# KiCad board tokeyo_plus.kicad_pcb
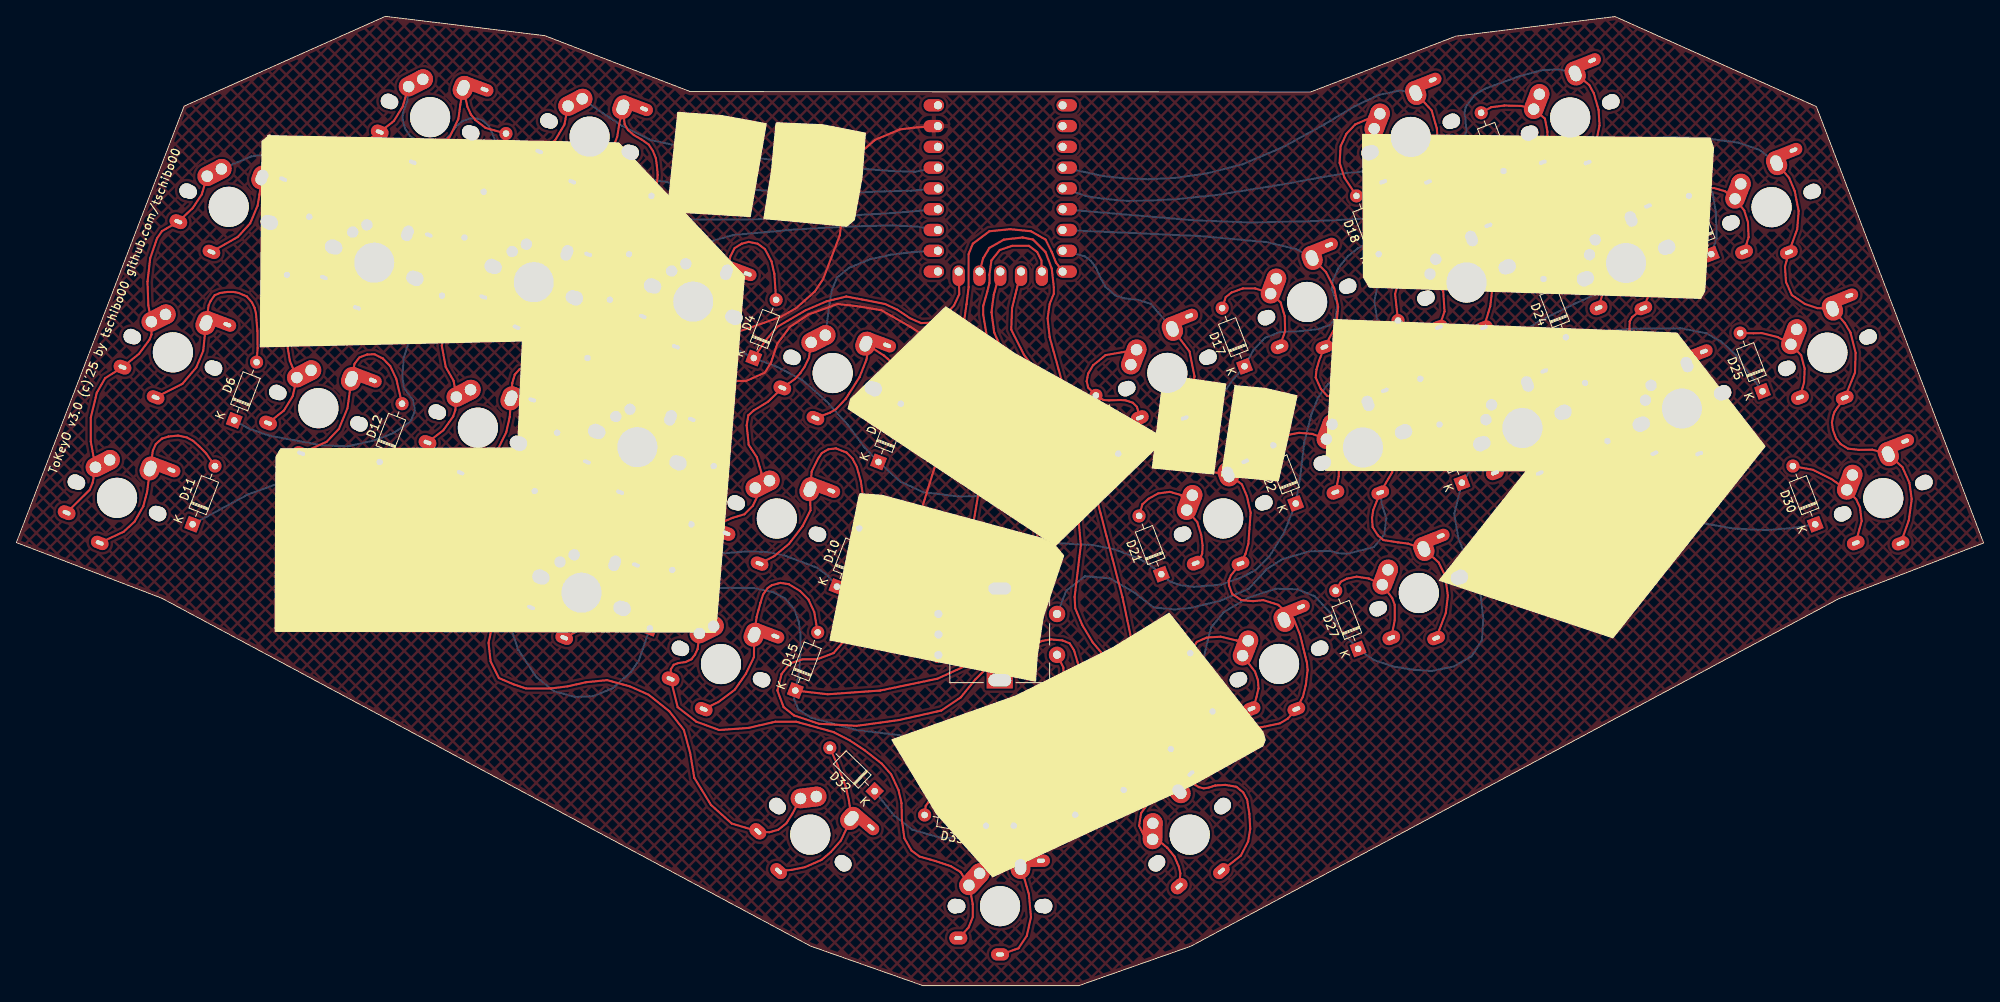
[diagram p0: board, top side]
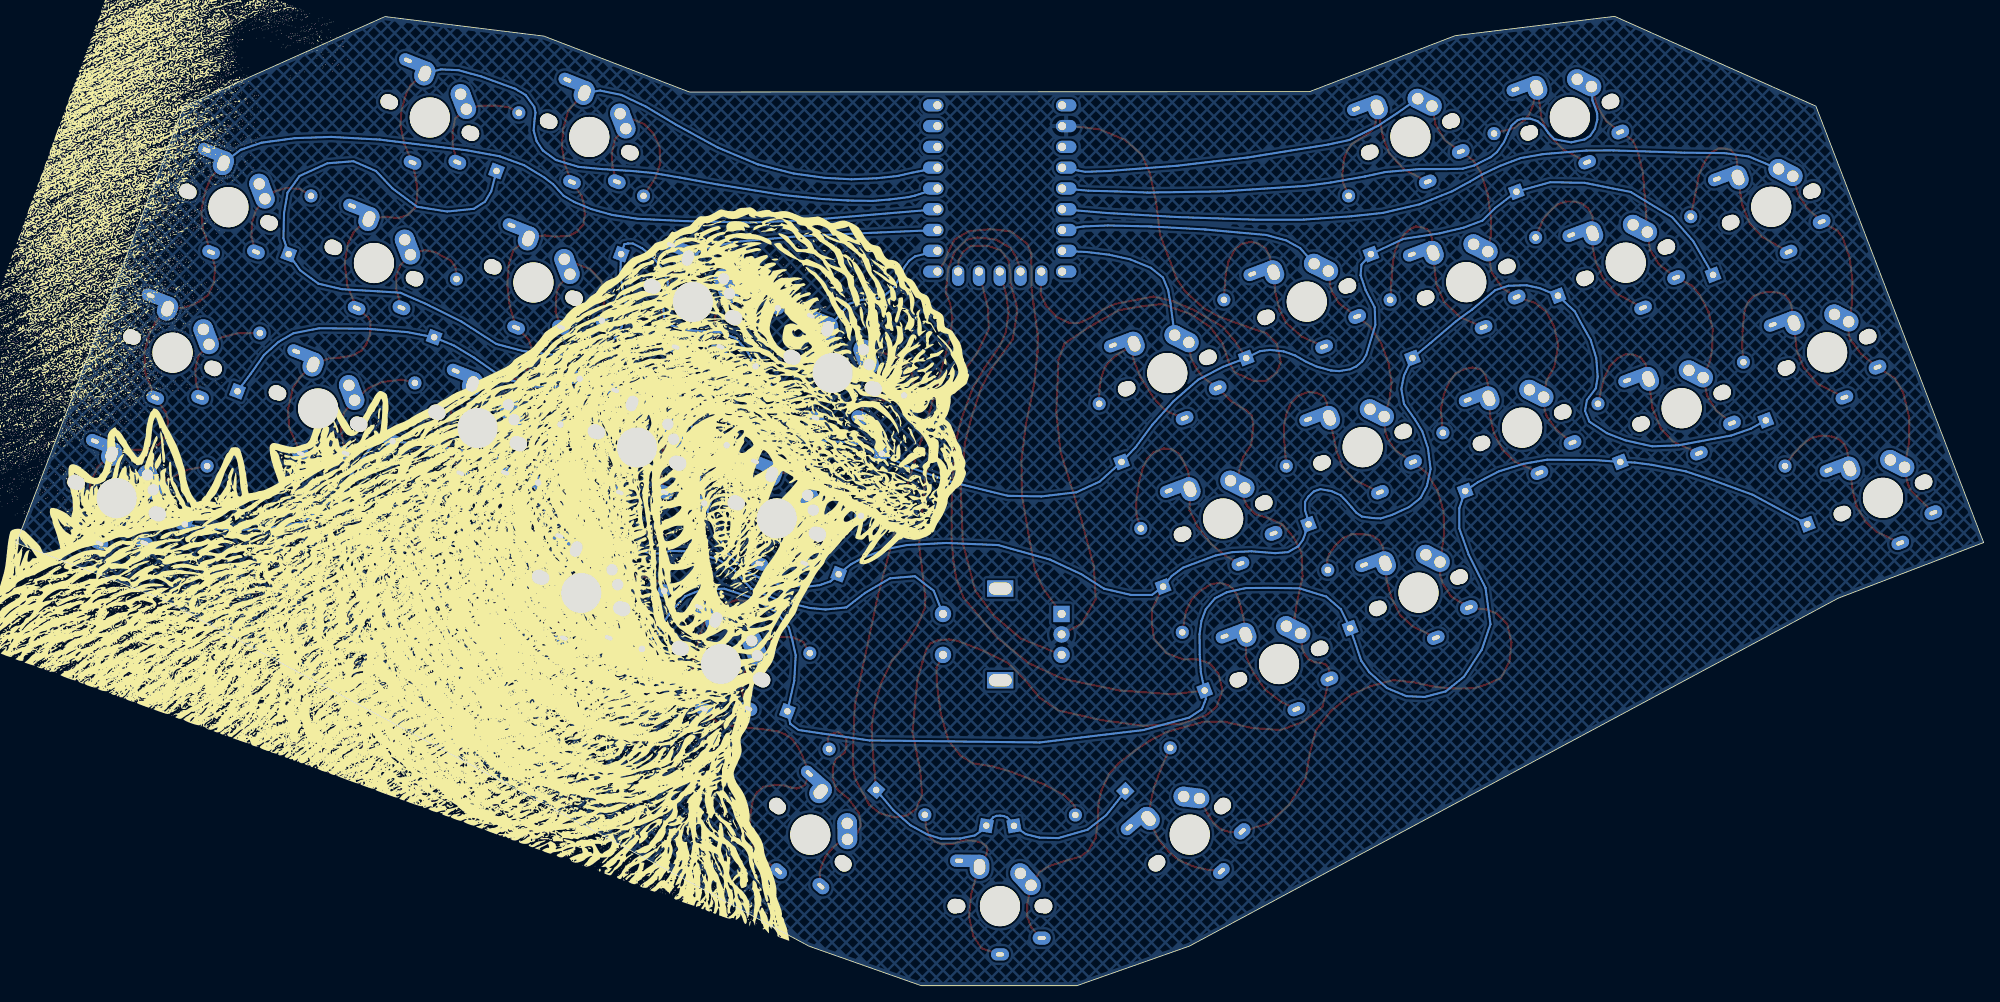
[diagram p1: board, bottom side, seen from below]

Outline 240.44 x 118.47 mm; copper layers: Top, Bottom. Coordinates in mm from the lower left corner of the outline.
Outline path: 0,54.15 20.5,107.49 45.09,118.47 64.59,116.1 82.35,109.27 158.17,109.22 175.95,116.05 195.38,118.44 219.99,107.44 240.44,54.1 222.73,47.29 143.56,4.83 129.84,0 110.79,0 97.08,4.83 17.78,47.35 closed

## Placement (name value [footprint] x y rotation side)
D1  Diode  [Diode_DO-35]  33.07 86.87 69 top
D2  Diode  [Diode_DO-35]  57.11 97.03 69 top
D3  Diode  [Diode_DO-35]  74.89 89.41 69 top
D4  Diode  [Diode_DO-35]  90.13 76.71 69 top
D5  Diode  [Diode_DO-35]  105.37 64.01 69 top
D6  Diode  [Diode_DO-35]  26.63 69.09 69 top
D7  Diode  [Diode_DO-35]  52.03 84.33 69 top
D8  Diode  [Diode_DO-35]  69.81 76.71 69 top
D9  Diode  [Diode_DO-35]  82.51 56.39 69 top
D10  Diode  [Diode_DO-35]  100.29 48.77 69 top
D11  Diode  [Diode_DO-35]  21.55 56.39 69 top
D12  Diode  [Diode_DO-35]  44.41 64.01 69 top
D13  Diode  [Diode_DO-35]  63.36 60.45 69 top
D14  Diode  [Diode_DO-35]  77.43 43.69 69 top
D15  Diode  [Diode_DO-35]  95.21 36.07 69 top
D16  Diode  [Diode_DO-35]  134.67 65.02 111 top
D17  Diode  [Diode_DO-35]  150.1 75.69 111 top
D18  Diode  [Diode_DO-35]  166.52 89.41 111 top
D19  Diode  [Diode_DO-35]  181.76 99.57 111 top
D20  Diode  [Diode_DO-35]  207.16 89.41 111 top
D21  Diode  [Diode_DO-35]  139.94 50.29 111 top
D22  Diode  [Diode_DO-35]  156.36 58.93 111 top
D23  Diode  [Diode_DO-35]  171.6 74.17 111 top
D24  Diode  [Diode_DO-35]  189.38 79.25 111 top
D25  Diode  [Diode_DO-35]  213.41 72.64 111 top
D26  Diode  [Diode_DO-35]  146.2 33.53 111 top
D27  Diode  [Diode_DO-35]  163.98 41.15 111 top
D28  Diode  [Diode_DO-35]  176.68 61.47 111 top
D29  Diode  [Diode_DO-35]  194.46 66.55 111 top
D30  Diode  [Diode_DO-35]  219.86 56.39 111 top
D32  Diode  [Diode_DO-35]  104.9 23.77 136 top
D33  Diode  [Diode_DO-35]  121.9 19.56 10 top
D34  Diode  [Diode_DO-35]  135.35 23.92 41 top
D35  Diode  [Diode_DO-35]  118.51 19.53 170 top
G***  LOGO  [godzilla]  180.86 64.3 200 bottom
S1  Keyswitch  [keyswitch_cherrymx_alps_choc12_1u]  25.96 95.19 339 top
S2  Keyswitch  [keyswitch_cherrymx_alps_choc12_1u]  50.57 106.14 339 top
S3  Keyswitch  [keyswitch_cherrymx_alps_choc12_1u]  70.06 103.76 339 top
S4  Keyswitch  [keyswitch_cherrymx_alps_choc12_1u]  82.72 83.6 339 top
S5  Keyswitch  [keyswitch_cherrymx_alps_choc12_1u]  99.77 74.87 339 top
S6  Keyswitch  [keyswitch_cherrymx_alps_choc12_1u]  19.13 77.4 339 top
S7  Keyswitch  [keyswitch_cherrymx_alps_choc12_1u]  43.74 88.36 339 top
S8  Keyswitch  [keyswitch_cherrymx_alps_choc12_1u]  63.23 85.98 339 top
S9  Keyswitch  [keyswitch_cherrymx_alps_choc12_1u]  75.9 65.81 339 top
S10  Keyswitch  [keyswitch_cherrymx_alps_choc12_1u]  92.94 57.09 339 top
S11  Keyswitch  [keyswitch_cherrymx_alps_choc12_1u]  12.3 59.62 339 top
S12  Keyswitch  [keyswitch_cherrymx_alps_choc12_1u]  36.91 70.58 339 top
S13  Keyswitch  [keyswitch_cherrymx_alps_choc12_1u]  56.41 68.19 339 top
S14  Keyswitch  [keyswitch_cherrymx_alps_choc12_1u]  69.07 48.03 339 top
S15  Keyswitch  [keyswitch_cherrymx_alps_choc12_1u]  86.12 39.3 339 top
S16  Keyswitch  [keyswitch_cherrymx_alps_choc12_1u]  140.67 74.88 21 top
S17  Keyswitch  [keyswitch_cherrymx_alps_choc12_1u]  157.75 83.56 21 top
S18  Keyswitch  [keyswitch_cherrymx_alps_choc12_1u]  170.41 103.72 21 top
S19  Keyswitch  [keyswitch_cherrymx_alps_choc12_1u]  189.91 106.1 21 top
S20  Keyswitch  [keyswitch_cherrymx_alps_choc12_1u]  214.52 95.15 21 top
S21  Keyswitch  [keyswitch_cherrymx_alps_choc12_1u]  147.5 57.1 21 top
S22  Keyswitch  [keyswitch_cherrymx_alps_choc12_1u]  164.58 65.77 21 top
S23  Keyswitch  [keyswitch_cherrymx_alps_choc12_1u]  177.24 85.94 21 top
S24  Keyswitch  [keyswitch_cherrymx_alps_choc12_1u]  196.73 88.32 21 top
S25  Keyswitch  [keyswitch_cherrymx_alps_choc12_1u]  221.34 77.36 21 top
S26  Keyswitch  [keyswitch_cherrymx_alps_choc12_1u]  154.32 39.32 21 top
S27  Keyswitch  [keyswitch_cherrymx_alps_choc12_1u]  171.4 47.99 21 top
S28  Keyswitch  [keyswitch_cherrymx_alps_choc12_1u]  184.07 68.15 21 top
S29  Keyswitch  [keyswitch_cherrymx_alps_choc12_1u]  203.56 70.53 21 top
S30  Keyswitch  [keyswitch_cherrymx_alps_choc12_1u]  228.17 59.58 21 top
S32  Keyswitch  [keyswitch_cherrymx_alps_choc12_1u]  97.03 18.46 319 top
S33  Keyswitch  [keyswitch_cherrymx_alps_choc12_1u]  120.22 9.72 0 top
S34  Keyswitch  [keyswitch_cherrymx_alps_choc12_1u]  143.4 18.45 41 top
SW1  RotaryEncoder_Switch  [RotaryEncoder_Alps_EC11E-Switch_Vertical_H20mm]  112.69 45.43 0 top
U1  -  [RP2040_Zero]  120.25 97.43 0 top

## Library data of the parts
D1-D30 D32-D35 = -: Description: 1N4148 (DO-35) or 1N4148W (SOD-123); Sim.Device: D; Sim.Pins: 1=K 2=A
S1-S30 S32-S34 = -: Description: Push button switch, normally open, two pins, 45° tilted
SW1 = -: Description: Rotary encoder, dual channel, incremental quadrate outputs, with switch

## Footprints (pads in the part's own frame, mm; a bottom-side part is the same pattern mirrored in y, then rotated)
Diode_DO-35
  rect 1.6x1.6 hole 0.8: 1(0,0)
  oval 1.6x1.6 hole 0.8: 2(7.62,0)
keyswitch_cherrymx_alps_choc12_1u
  round 1.8 hole 1.8 unplated: (-5.5,0) (5.5,0)
  round 1.7 hole 1.7 unplated: (-5.08,0) (5.08,0)
  round 4.9 hole 4.9 unplated: (0,0)
  oval 2.2x1.6 hole 1x0.5: 1(-5.1,-3.9)
  oval 2.4x4.4 hole 1.4 rot 138: 1(-3.8,2.55)
  round 2.4 hole 1.4: 1(-2.5,4)
  oval 2.2x1.5 hole 1x0.5: 2(0,-5.9)
  oval 2.4x2.95 hole 1.4x1.95: 2(2.5,4.8)
  oval 4.4x1.5 hole 1x0.5 rot 0.5: 2(5,5.55)
RotaryEncoder_Alps_EC11E-Switch_Vertical_H20mm
  rect 2x2 hole 1: A(0,0)
  round 2 hole 1: B(0,-5) C(0,-2.5) S1(14.5,-5) S2(14.5,0)
  rect 3.2x2 hole 2.8x1.5: MP(7.5,3.1) MP(7.5,-8.1)
RP2040_Zero
  oval 2.5x1.5 hole 1: 1(7.62,10.16) 2(7.62,7.62) 3(7.62,5.08) 4(7.62,2.54) 5(7.62,0) 6(7.62,-2.54) 7(7.62,-5.08) 8(7.62,-7.62) 9(7.62,-10.16) 15(-7.62,-10.16) 16(-7.62,-7.62) 17(-7.62,-5.08) 18(-7.62,-2.54) 19(-7.62,0) 20(-7.62,2.54) 21(-7.62,5.08) 22(-7.62,7.62) 23(-7.62,10.16)
  oval 1.5x2.5 hole 1: 10(5.08,-10.16) 11(2.54,-10.16) 12(0,-10.16) 13(-2.54,-10.16) 14(-5.08,-10.16)

## Nets
gnd: SW1.C U1.22
c1: S1.1 S6.1 S11.1 U1.18
c2: S2.1 S7.1 S12.1 U1.19
c3: S3.1 S8.1 S13.1 U1.20
c4: S4.1 S9.1 S14.1 S32.1 U1.17
c5: S5.1 S10.1 S15.1 S33.1 U1.16
c6: S16.2 S21.2 S26.2 S34.2 U1.8
c7: S17.2 S22.2 S27.2 SW1.S2 U1.7
c8: S18.2 S23.2 S28.2 U1.4
c9: S19.2 S24.2 S29.2 U1.5
c10: S20.2 S25.2 S30.2 U1.6
r1: D1.1 D2.1 D3.1 D4.1 D5.1 D16.1 D17.1 D18.1 D19.1 D20.1 U1.14
r2: D6.1 D7.1 D8.1 D9.1 D10.1 D21.1 D22.1 D23.1 D24.1 D25.1 U1.13
r3: D11.1 D12.1 D13.1 D14.1 D15.1 D26.1 D27.1 D28.1 D29.1 D30.1 U1.12
r4: D32.1 D33.1 D34.1 D35.1 U1.11
Net-(D1-A): D1.2 S1.2
Net-(D2-A): D2.2 S2.2
Net-(D3-A): D3.2 S3.2
Net-(D4-A): D4.2 S4.2
Net-(D5-A): D5.2 S5.2
Net-(D6-A): D6.2 S6.2
Net-(D7-A): D7.2 S7.2
Net-(D8-A): D8.2 S8.2
Net-(D9-A): D9.2 S9.2
Net-(D10-A): D10.2 S10.2
Net-(D11-A): D11.2 S11.2
Net-(D12-A): D12.2 S12.2
Net-(D13-A): D13.2 S13.2
Net-(D14-A): D14.2 S14.2
Net-(D15-A): D15.2 S15.2
Net-(D16-A): D16.2 S16.1
Net-(D17-A): D17.2 S17.1
Net-(D18-A): D18.2 S18.1
Net-(D19-A): D19.2 S19.1
Net-(D20-A): D20.2 S20.1
Net-(D21-A): D21.2 S21.1
Net-(D22-A): D22.2 S22.1
Net-(D23-A): D23.2 S23.1
Net-(D24-A): D24.2 S24.1
Net-(D25-A): D25.2 S25.1
Net-(D26-A): D26.2 S26.1
Net-(D27-A): D27.2 S27.1
Net-(D28-A): D28.2 S28.1
Net-(D29-A): D29.2 S29.1
Net-(D30-A): D30.2 S30.1
Net-(D32-A): D32.2 S32.2
Net-(D33-A): D33.2 S33.2
Net-(D34-A): D34.2 S34.1
Net-(D35-A): D35.2 SW1.S1
Net-(U1-8): SW1.A U1.9
Net-(U1-9): SW1.B U1.10

Pads without a net: SW1 MP; U1 1 2 3 15 21 23

## Routing (per net, layer and track width the routed paths; a pad name or vN(x,y) marks a point on that pad's centre or on a via; arc(x,y) is an arc through that point)
gnd: length 115.2
  Top w0.25: SW1.C 110.29,44.2 108.51,47.24 108.76,51.31 110.54,57.91 112.83,65.28 113.33,70.1 113.08,76.45 112.32,78.49 109.27,80.52 105.71,82.55 102.67,83.06 100.38,83.31 96.82,82.04 94.54,80.52 93.01,78.49 92.25,76.2 91.49,74.93 89.2,73.91 87.68,73.91 86.41,74.93 85.9,76.2 86.41,78.49 87.68,79.76 89.97,80.52 93.52,81.79 95.3,82.8 97.59,84.84 98.6,86.36 100.63,91.69 101.14,95.76 101.9,99.31 102.92,101.6 104.95,103.38 108,104.65 110.03,104.9 U1.22
c1: length 137.6
  Top w0.25: S11.1 8.97,60.6 9.32,61.47 S11.1 9.09,66.5 9.09,69.42 9.83,72.47 10.85,74.24 S6.1 14.99,77.22 16.28,78.97 16.51,79.55 S6.1 16.13,83.16 16.03,86.03 16.36,88.9 17.2,91.34 17.81,92.23 S1.1 21.56,95.05 22.66,96.7 S1.1
  Bottom w0.25: S1.1 28.73,101.35 31.67,101.75 36.58,101.8 45.23,102.08 48.58,102.06 53.85,101.63 56.59,101.14 59.08,100.2 61.26,99.16 62.79,98.27 64.97,97.08 68.91,95.5 73.46,94.44 77.29,94.03 83.11,93.62 89.18,93.62 98.32,93.93 107.21,94.44 U1.18
c2: length 123.2
  Top w0.25: S2.1 47.22,107.44 46.13,105.66 S2.1 42.88,103.3 42.27,101.93 41.66,99.39 41.38,96.11 S7.1 40.77,89.94 39.73,88.19 S7.1 35.61,85.55 34.65,84.33 33.63,82.35 33.12,80.26 33.17,77.9 33.43,76.35 S12.1 33.78,72.06 32.69,70.28 S12.1
  Bottom w0.25: U1.19 109.4,97.16 106.15,97.08 102.16,96.93 92.89,97.08 82.96,97.74 79.83,98.15 75.56,98.91 73.1,99.44 68.99,99.8 65.68,99.8 63.68,99.85 62.28,100.23 60.25,101.25 59.49,101.88 58.62,103.1 58.19,104.09 57.71,105.11 56.97,105.77 56.34,105.97 55.42,105.97 54.53,105.66 53.82,105.08 53.21,104.24 52.48,103.45 50.41,103.06 48.75,103.43 48.09,103.86 47.5,104.75 47.21,105.85 47.23,106.58 47.39,107.09 47.8,108.18 S2.1
c3: length 94.7
  Top w0.25: S3.1 66.98,105.23 65.84,103.3 S3.1 62.43,100.91 61.49,99.49 60.63,96.77 60.2,93.73 60.25,91.59 S8.1 60.12,87.17 58.83,85.27 S8.1 54.84,83.46 53.47,82.4 52.48,80.52 51.99,78.21 52.48,75.62 53.44,73.91 S13.1 53.64,70.33 53.39,69.57 52.17,67.87 S13.1
  Bottom w0.25: U1.20 110.62,99.62 109.8,99.47 106.91,99.57 98.6,100.2 89.94,101.22 80.11,102.79 77.52,103.35 73.99,105.11 71.68,106.63 S3.1
c4: length 142.4
  Top w0.25: S32.1 92.02,18.75 93.12,19.05 94.11,19.84 94.87,21.06 S32.1 ; S32.1 87.43,19.81 84.89,22.1 82.85,25.4 82.35,28.45 81.58,31.24 79.81,33.53 77.27,35.56 74.98,36.58 72.19,37.34 69.65,37.08 67.36,36.58 65.33,36.32 62.28,36.32 60.76,36.83 58.98,37.59 57.96,39.62 57.71,41.91 58.22,44.2 59.49,45.47 60.76,45.97 S14.1 65.1,47.57 66.12,49.15 66.42,50.11 S14.1 65.94,55.19 66.01,58.01 66.78,60.58 68.05,62.66 S9.1 71.86,65.41 72.8,66.78 73.15,67.82 S9.1 72.59,71.68 72.36,73.71 72.72,76.07 73.66,78.56 74.98,80.57 S4.1 78.77,83.36 79.55,84.63 79.88,85.6 S4.1 ; S32.1 91.24,19.05
  Bottom w0.25: S4.1 83.54,90.14 85.24,91.08 87.66,91.74 95.19,92.42 101.75,92.78 107.04,92.91 110.03,92.79 U1.17
c5: length 131.9
  Top w0.25: S10.1 85.72,56.41 ; 85.72,56.41 87.52,57.17 88.98,57.61 90.02,58.65 90.93,60.63 91.05,62.73 90.5,64.59 89.51,66.09 89.26,68.48 89.46,69.7 90.09,70.28 91.87,71.37 S5.1 95.12,74.12 95.81,74.85 96.34,75.64 96.88,76.76 S5.1 ; 85.72,56.41 84.35,54.81 83.39,53.01 83.24,49.99 83.9,46.96 84.22,44.94 83.85,42.77 ; 116.48,12.24 116.89,9.91 116.89,8.38 116.38,7.11 115.18,5.79 ; S33.1 115.39,13.89 114.2,14.61 112.29,15.24 110.39,15.77 109.4,16.51 108.53,18.01 108.23,20.22 108.18,22.33 107.82,23.88 106.91,25.83 105.74,27.15 103.66,28.78 101.85,29.97 99.87,30.99 95.3,32.26 92.76,32.26 89.46,31.5 85.9,31.24 83.11,32.26 80.82,34.04 S15.1 79.98,38.66 80.34,39.22 80.87,39.42 81.79,39.55 82.5,39.88 82.96,40.49 83.26,41.15 S15.1 ; 97.05,77.47 97.49,78.74
  Bottom w0.25: S5.1 99.39,83.44 99.67,85.01 100.3,86.54 101.78,87.73 104.32,88.77 106.86,89.33 109.58,89.66 U1.16
c6: length 112.2
  Top w0.25: S16.2 143.38,77.5 143.99,74.45 143.66,72.72 S16.2 142.27,68.1 142.01,66.75 142.11,65.63 142.72,64.64 143.66,63.73 144.86,63.12 146.1,62.79 S21.2 149.78,61.26 150.39,59.82 150.85,57.81 150.57,54 150.22,52.76 S21.2 148.44,50.14 148.16,49.45 148.21,48.9 148.59,47.88 149.71,47.12 151.16,46.99 152.4,47.12 154.23,46.54 156.13,44.75 156.87,42.93 157.73,39.45 157.81,38.58 157.61,36.83 157.23,35.28 S26.2 155.4,32.64 154.43,32.05 152.25,31.6 149.91,31.42 147.32,31.06 146.53,30.73 145.67,30.18 145.01,29.31 144.53,28.45 S34.2 144.07,24.54 144.53,24.26 145.11,24.1 145.75,24.21 146.51,24.46 147.75,24.54 149.1,24.31 149.94,23.62 150.42,22.73 150.7,20.98 150.8,19.15 150.55,17.63 149.66,15.9 S34.2
  Bottom w0.25: U1.8 130.61,89.13 131.32,88.6 131.93,87.78 132.44,86.64 133.1,85.42 134.32,84.35 135.46,84 137.08,83.82 138.63,83.34 S16.2
c7: length 142.7
  Top w0.25: S27.2 174.7,45.54 174.96,47.68 174.62,50.09 173.84,51.71 S27.2 170.08,54.03 168.86,54.18 167.08,54.46 166.4,55.04 165.76,56.03 165.68,57.15 165.84,58.14 S22.2 168.15,62.74 168.43,64.97 168.07,67.03 167.08,69.44 S22.2 162.97,71.91 161.72,71.76 160.2,72.09 159.44,72.92 158.8,74.32 158.9,75.31 159.21,76.35 S17.2 161.32,80.67 161.54,82.96 161.06,85.24 160.07,87.2 S17.2
  Bottom w0.25: S22.2 166.93,58.67 167.44,57.15 167.18,55.12 165.91,53.59 162.66,52.78 161.54,52.86 160.55,53.14 158.06,53.09 154.71,52.12 152.81,50.9 150.62,48.51 147.07,47.02 143.41,46.15 141.53,45.97 138.99,46.23 136.7,48.01 133.65,49.78 130.61,50.04 128.32,48.26 SW1.S2 ; U1.7 136.14,92 144.53,91.62 152.78,90.88 156.41,90.02 S17.2
c8: length 108
  Top w0.25: S18.2 172.97,106.96 173.61,104.75 173.76,102.54 173.41,100.33 S18.2 171.37,96.55 171.04,95.48 170.97,94.21 171.15,92.99 171.96,92.13 172.92,91.62 174.57,91.54 175.82,91.69 S23.2 179.71,89.89 180.24,88.21 180.44,85.65 180.14,83.03 S23.2 178.18,79.35 177.8,78.89 177.62,78.41 177.39,77.5 177.55,76.5 177.88,75.44 178.26,74.83 179.12,74.14 180.26,74.02 182.32,74.02 S28.2 186.82,71.73 187.48,69.52 187.76,67.46 187.4,65.2 S28.2
  Bottom w0.25: U1.4 131.06,99.34 132.72,98.96 135.31,98.68 138.38,98.55 141.63,98.73 145.47,99.26 149.81,100.38 154.71,102.44 159.77,105.21 163.55,107.47 166.5,108.86 169.09,109.4 S18.2
c9: length 130.3
  Top w0.25: S19.2 192.23,110.08 192.79,109.07 193.37,107.06 193.5,105.16 193.01,102.84 S19.2 191.67,98.88 191.57,98.35 191.41,97.26 191.49,96.04 191.8,94.97 192.63,94.18 193.78,93.8 195.25,93.98 S24.2 199.16,92.18 199.9,90.7 200.3,88.29 200,85.6 S24.2 197.49,81.71 197.18,81.18 197.15,80.14 197.23,79.5 197.69,78.36 198.22,77.65 199.24,77.04 200.84,76.76 202.26,76.66 S29.2 205.82,74.3 206.63,73.08 207.24,70.41 207.11,68.28 S29.2
  Bottom w0.25: U1.5 130.66,96.55 131.45,96.37 133.68,96.09 135.79,95.91 138.81,95.96 141.91,96.14 146.63,96.62 154.99,97.97 159.41,98.78 162.53,99.31 165.2,99.57 168.83,99.8 171.73,100.08 174.5,100.91 176.1,102.08 176.86,103.23 177.22,104.52 177.09,105.99 176.99,106.68 177.14,107.39 178.21,108.86 179.5,109.63 183.62,111.13 186.41,111.89 188.52,111.99 S19.2
c10: length 149.4
  Top w0.25: S20.2 216.66,98.73 217.35,97.1 217.83,94.67 217.65,92.46 S20.2 216.15,87.86 216.28,86 216.99,84.4 218.59,83.31 220.12,82.8 S25.2 223.47,80.98 224.16,79.83 224.79,77.34 224.71,74.93 S25.2 222.55,70.64 222.2,70.1 222.02,69.55 221.89,68.81 222.02,67.89 222.4,66.88 222.96,66.19 223.85,65.63 225.22,65.48 226.82,65.51 S30.2 230.5,63.37 231.37,61.44 231.65,59.44 231.29,56.87 S30.2
  Bottom w0.25: U1.6 143.81,93.55 150.8,93.27 158.83,93.45 164.49,93.73 167.67,94.21 170.18,94.92 172.26,95.78 173.56,96.55 174.85,97.97 175.92,98.78 178.38,100.28 181.38,101.37 185.45,102.11 196.01,103.4 201.96,103.73 206.38,103.58 210.49,103.02 213.03,102.16 S20.2
r1: length 303.9
  Top w0.25: U1.14 115.24,84.51 114.6,83.13 113.28,81.71 111.81,81.03 110.57,80.98 109.19,81.58 107.65,82.63 106.17,83.31 103.33,83.87 101.42,84.23 99.03,83.64 96.47,82.55 92.99,80.52 91.52,78.79 D4.1
  Bottom w0.25: D19.1 182.4,97.08 183.16,95.81 184.53,94.95 187.78,94.62 191.47,95.2 194.46,97.43 196.49,99.57 199.24,100.76 202.41,100.51 205.82,98.96 207.29,96.93 207.72,94.44 207.8,91.36 D20.1 205.74,87.43 203.53,85.8 200.61,85.12 196.24,84.86 193.5,84.68 190.53,83.39 186.06,81.18 181.79,78.44 178.54,77.57 174.52,77.06 170.15,77.5 167.84,78.26 166.47,80.49 165.96,83.67 166.65,86.74 D18.1 166.14,90.6 165.68,90.7 165.07,90.7 163.96,90.12 162.71,89.13 161.59,87.76 160.86,86.13 160.78,85.17 161.01,84.43 161.44,83.36 161.24,81.66 160.6,80.77 159.08,80.24 156.9,79.98 154.43,79.88 152.6,79.17 151.23,77.75 D17.1 148.44,73.74 147.88,72.9 147.37,71.86 146.84,70.49 145.8,68.83 145.03,68.02 143.59,67.16 141.63,66.57 139.85,66.47 138.33,66.37 137.03,66.14 D16.1 131.57,63.47 126.26,61.6 119.25,59.87 115.14,59.79 110.87,60.3 108.05,61.6 D5.1 103.66,65.79 101.6,68.55 99.01,71.42 95.99,74.07 92.94,75.64 D4.1 88.44,77.55 87.2,77.7 85.55,77.52 84.12,77.01 82.85,76.28 81.53,75.67 79.78,75.18 78.77,75.11 77.42,75.34 76.66,75.69 75.95,76.3 75.46,77.06 74.35,80.75 74.42,82.88 75.54,85.01 76.15,86.82 76.05,88.11 D3.1 70.92,91.26 66.47,91.95 63.58,92.63 61.26,93.5 59.72,95.02 D2.1 52.96,98.2 48.77,98.12 43.13,97 38.07,93.93 35.51,91.01 D1.1
r2: length 425.6
  Top w0.25: D10.1 101.65,45.97 101.65,44.2 101.4,42.42 99.87,40.64 97.84,39.88 96.06,39.88 94.54,39.37 93.52,38.1 93.01,36.07 93.78,34.04 95.05,33.02 98.09,32 102.69,31.75 107.87,32.46 113.06,33.63 115.42,35.23 117.2,37.41 119.15,39.37 122.28,40.94 125.4,42.14 126.44,42.32 127.86,42.19 128.73,41.83 129.26,41 129.69,39.55 130.33,37.31 130.91,30.99 129.97,26.29 129.74,23.27 130.51,21.56 131.57,20.8 133.15,20.57 134.92,21.08 136.19,22.1 137.97,25.4 138.23,27.69 137.97,34.29 135.18,47.5 132.13,59.18 128.83,70.1 126.29,79.25 126.03,81.53 126.29,83.31 126.8,84.58 126.8,85.34 126.54,87.63 125.78,89.66 124.26,91.19 122.99,91.44 120.7,91.19 118.92,90.17 118.16,88.9 U1.13
  Bottom w0.25: D25.1 211.81,74.75 210.16,77.09 208.38,78.69 206.58,79.73 203.43,80.34 197.56,80.29 192.71,79.88 D24.1 186.94,78.23 184.51,76.76 181.71,74.8 179.88,73.96 177.24,73.23 175.08,73.15 173.2,73.33 D23.1 169.67,75.21 168.25,75.62 165.51,75.62 162.66,74.8 160.32,73.56 159.11,71.91 158.27,69.8 157.4,66.37 156.9,62.1 D22.1 154.91,55.32 153.14,52.45 151.43,50.77 149.68,49.89 147.27,49.02 143.92,48.74 142.27,48.95 140.94,49.4 D21.1 138.46,51.49 137.01,52.27 134.16,53.34 131.62,53.85 126.8,54.1 120.45,53.85 114.1,52.07 110.29,50.29 107.49,48.51 104.19,47.75 101.65,47.75 D10.1 99.24,50.06 97.87,51.08 93.85,52.58 91.82,52.98 89.48,53.09 86.59,52.86 85.01,52.98 83.77,53.7 83.19,54.51 D9.1 82.65,57.2 82.93,58.06 82.93,59.13 82.52,59.77 81.86,60.4 81.08,60.68 79.73,60.45 78.59,59.94 77.98,59.31 77.24,58.47 76.66,57.79 75.97,57.33 74.65,57.15 73.69,57.1 72.31,57.53 70.21,58.5 68.83,59.59 68.05,61.06 67.59,63.12 67.92,65.68 68.61,67.74 69.52,69.22 70.84,71.09 71.17,72.92 70.84,74.57 D8.1 67.61,78.53 64.48,81.2 62.48,82.66 59.66,85.01 58.06,85.55 55.88,85.6 54.23,85.24 D7.1 49.96,82.4 49.33,81.2 48.03,78.92 47.35,76.71 47.17,74.42 47.4,73 48.49,71.55 48.72,70.26 48.18,68.94 46.02,67.51 43.79,66.65 40.49,65.91 37.29,66.04 30.86,67.23 28.45,68.07 D6.1
r3: length 368
  Top w0.25: D15.1 99.16,35.61 105.56,36.07 112.57,37.52 116.74,39.42 120.55,42.52 124.69,47.42 125.55,49.71 125.91,51.79 126.14,54.61 126.14,58.6 125.96,63.07 125.55,66.78 124.94,69.22 123.57,72.97 122.12,75.49 120.24,78.18 119.51,79.83 119.18,82.32 119.46,84.46 U1.12
  Bottom w0.25: D30.1 216.92,55.91 213.94,55.68 209.91,55.85 205.46,56.64 202.54,58.8 200.61,60.81 198.5,64.01 197.23,65.61 196.32,66.4 D29.1 189.03,65.94 182.6,64.8 179.07,63.75 177.57,62.74 D28.1 175.74,57.66 176.25,54.64 177.62,51.28 178.99,47.52 179.27,44.88 179.12,42.21 177.85,40.26 175.69,39.01 172.95,38.46 170.66,38.61 168.22,39.01 165.89,39.8 D27.1 162,43.28 160.58,45.57 158.67,47.6 156.57,48.44 153.92,48.51 150.65,47.45 147.57,45.67 146.02,43.76 145.62,42.29 145.19,40.36 145.36,37.26 D26.1 145.85,32 144.83,31.24 136.19,29.97 115.37,29.72 102.67,31.24 97.08,32.77 95.55,33.78 95.05,35.05 D15.1 95.68,38.35 95.81,40.49 95.83,42.93 95.61,44.55 95.07,46 93.95,47.32 92.51,48.08 90.17,48.59 87.45,48.62 83.64,48.56 80.34,47.55 78.56,46 D14.1 76.07,39.73 75.08,38.3 72.92,36.37 70.54,35.38 68.3,35.28 65.74,35.97 63.53,37.74 61.34,41.05 60.27,44.17 60.88,48.62 62.94,52.68 64.08,55.88 64.08,58.37 D13.1 61.8,61.54 59.23,62.87 56.21,63.78 53.34,64.28 47.5,64.24 D12.1 42.65,63.93 40.54,63.65 36.42,62.87 32.94,61.72 28.22,59.99 D11.1
r4: length 103.8
  Top w0.25: U1.11 121.69,82.83 121.59,80.19 123.14,77.11 125.45,74.02 127.56,69.6 129.34,62.23 130.1,53.85 129.34,47.5 129.41,46.13 130.28,44.07 131.55,41.96 133.38,39.78 134.67,37.16 135.46,34.54 135.92,31.62 135.76,28.8 135.56,26.29 D34.1
  Bottom w0.25: D32.1 107.24,20.83 109.52,19.05 113.08,18.03 115.37,18.08 117.07,18.52 D35.1 118.85,20.04 119.33,20.55 119.74,20.73 120.19,20.78 120.65,20.75 121.06,20.57 D33.1 122.38,19 123.29,18.36 125.09,17.98 127.43,17.96 129.13,18.49 131.17,19.61 133.25,21.44 D34.1
Net-(D1-A): length 26.3
  Top w0.25: D1.2 35.05,97.71 34.82,98.98 34.34,100.2 33.81,101.19 33.15,101.9 32.36,102.34 31.57,102.31 30.94,102.16 30.3,101.47 30.15,100.71 S1.2 29.72,96.7 29.49,95.35 28.58,93.17 27.08,91.52 S1.2
Net-(D2-A): length 20.2
  Top w0.25: S2.2 51.36,102.18 52.98,103.78 54.03,105.94 54.25,107.65 S2.2 55.12,107.44 55.55,106.48 56.11,105.79 57.35,104.83 D2.2
Net-(D3-A): length 24.4
  Top w0.25: D3.2 78.31,98.2 78.38,99.11 78.28,100.18 78.16,101.12 77.8,102.01 77.29,102.79 76.43,103.4 75.46,103.96 74.75,104.57 74.35,105.28 S3.2 73.69,105.31 73.43,103.73 72.62,101.7 70.84,99.77 S3.2
Net-(D4-A): length 25.7
  Top w0.25: D4.2 92.63,87.02 92.28,88.54 91.49,90.02 90.6,90.68 89.51,90.91 88.65,90.68 87.78,90.14 87.27,89.15 S4.2 86.59,84.81 86.06,82.63 85.24,81 83.36,79.35 S4.2
Net-(D5-A): length 20.7
  Top w0.25: S5.2 105.51,77.34 105.99,77.04 106.5,76.61 107.06,76.05 107.47,75.41 107.9,74.09 108.08,72.8 D5.2 ; 104.19,78.11 103.89,76.48 103.05,74.37 101.37,71.73 100.18,70.46 99.44,70.03 S5.2
Net-(D6-A): length 28
  Top w0.25: D6.2 29.49,77.95 29.46,79.98 29.29,82.12 29.11,82.85 28.8,83.49 28.17,84.23 27.18,84.66 26.52,84.79 25.83,84.79 24.89,84.66 24.23,84.38 23.75,83.69 23.5,83.13 S6.2 22.83,77.57 22,75.57 20.29,73.56 S6.2
Net-(D7-A): length 24.1
  Top w0.25: S7.2 44.93,84.61 46.51,86.46 47.42,88.49 47.78,90.17 S7.2 47.8,94.03 48.34,95 49.12,95.61 50.04,95.83 51.08,95.83 52.07,95.48 52.71,94.95 53.39,94.23 53.9,93.52 D7.2
Net-(D8-A): length 26.6
  Top w0.25: D8.2 72.24,88.11 71.98,89.64 71.45,90.96 70.71,91.95 69.98,92.53 69.39,92.79 68.68,92.68 68.02,92.46 67.64,92.02 67.41,91.34 S8.2 66.9,85.8 65.96,83.59 63.96,81.69 S8.2
Net-(D9-A): length 27
  Top w0.25: S9.2 76.84,61.77 78.36,63.37 79.1,65.35 79.43,67.01 S9.2 80.29,71.27 80.7,72.06 81.61,72.47 82.58,72.57 83.82,72.06 84.66,71.2 85.17,70.03 85.5,68.5 85.5,66.9 D9.2
Net-(D10-A): length 29.7
  Top w0.25: S10.2 92.63,52.5 94.44,54 96.09,56.16 97.05,58.09 S10.2 97.21,62.84 97.99,64.44 98.45,65.1 99.24,65.56 100.18,65.66 101.47,65.15 102.18,64.41 102.72,63.4 103.2,61.67 103.58,59.08 103.53,57.48 D10.2
Net-(D11-A): length 24.1
  Top w0.25: D11.2 23.22,65.02 22.38,65.89 21.62,66.57 20.83,67.01 19.76,67.23 18.57,67.11 17.78,66.85 17.04,66.19 16.69,65.41 S11.2 15.98,60.35 15.52,58.6 14.45,56.72 13.11,55.47 S11.2
Net-(D12-A): length 24
  Top w0.25: D12.2 46.43,74.17 45.69,75.72 44.78,76.66 43.76,77.17 42.88,77.14 41.94,76.78 41.33,76 S12.2 40.46,70.56 39.42,68.05 37.92,66.47 S12.2
Net-(D13-A): length 26.7
  Top w0.25: D13.2 66.34,70.38 65.96,72.26 65.33,73.76 64.52,74.83 63.58,75.31 62.48,75.54 61.49,75.34 60.91,74.68 60.6,73.61 S13.2 60.3,69.52 59.87,67.61 58.85,65.56 57.28,64.03 S13.2
Net-(D14-A): length 24.1
  Top w0.25: D14.2 80.24,52.07 79.93,52.81 79.2,53.85 78.33,54.66 77.27,55.17 75.79,55.17 74.7,54.99 73.89,54.43 73.41,53.59 S14.2 72.95,49.45 72.34,47.32 71.32,45.31 69.85,43.97 S14.2
Net-(D15-A): length 27.9
  Top w0.25: S15.2 85.78,34.65 87.81,36.17 89.18,38.15 90.14,40.16 S15.2 90.47,45.06 90.93,46.76 91.26,47.8 91.82,48.59 92.33,48.95 93.37,49.23 94.39,49.07 95.78,48.23 96.8,47.19 97.51,45.67 D15.2
Net-(D16-A): length 18.3
  Top w0.25: S16.1 136.96,70.74 136.45,71.25 135.59,71.53 134.95,71.58 133.58,71.53 132.87,71.58 D16.2 130.99,73.1 130.81,73.86 130.99,74.8 131.6,75.82 133.12,77.06 S16.1 136.93,76.35
Net-(D17-A): length 14.5
  Top w0.25: D17.2 147.8,84.15 148.51,84.71 149.89,85.22 151.41,85.22 S17.1 154.51,83.52 155.02,81.81 155.07,79.98 S17.1
Net-(D18-A): length 20.3
  Top w0.25: D18.2 162.33,98.73 161.72,100.56 161.85,102.59 162.56,104.11 163.63,105.26 S18.1 ; S18.1 167.28,103.48 167.67,101.7 167.56,100 S18.1
Net-(D19-A): length 13.9
  Top w0.25: D19.2 180.26,107.37 181.86,107.57 183.9,107.52 S19.1 186.82,105.97 187.12,104.39 187.1,102.62 S19.1
Net-(D20-A): length 13.3
  Top w0.25: D20.2 205.82,97.38 207.49,97.49 208.79,97.1 S20.1 211.18,94.74 211.63,93.29 211.71,91.47 S20.1
Net-(D21-A): length 16
  Top w0.25: S21.1 144.6,51.99 144.93,52.81 144.98,53.8 144.81,55.09 144.32,56.67 S21.1 142.33,59.97 140.97,60.35 139.52,60.15 138.38,59.51 137.62,58.83 D21.2
Net-(D22-A): length 14.2
  Top w0.25: D22.2 154.48,67.01 155.24,67.28 156.77,67.56 158.37,67.44 S22.1 161.42,65.51 161.62,64.52 161.62,62.23 S22.1
Net-(D23-A): length 17.5
  Top w0.25: S23.1 170.33,87.58 168.96,86.16 168.5,84.53 D23.2 ; S23.1 174.55,82.4 174.39,84.81 174.06,85.61 S23.1
Net-(D24-A): length 14.9
  Top w0.25: D24.2 186.77,87.83 187.35,88.62 189.28,89.66 190.58,89.89 S24.1 193.5,88.06 194.01,86.77 194.01,85.09 S24.1
Net-(D25-A): length 13.6
  Top w0.25: D25.2 212.29,79.73 213.31,79.76 215.24,79.27 S25.1 218.14,77.04 218.57,75.39 218.49,73.76 S25.1
Net-(D26-A): length 16.9
  Top w0.25: S26.1 151.38,38.38 151.74,37.34 151.82,36.32 151.56,35.26 151.36,34.54 S26.1 ; D26.2 144.27,42.01 145.49,42.55 147.19,42.65 149.16,42.18 S26.1 150.7,40.59
Net-(D27-A): length 13.6
  Top w0.25: D27.2 161.87,49.35 162.59,49.73 163.8,49.99 165.3,49.76 S27.1 168.15,47.37 168.45,46.56 168.45,44.63 S27.1
Net-(D28-A): length 13.1
  Top w0.25: S28.1 181.23,64.49 181.28,66.07 180.85,67.64 S28.1 177.8,69.72 176.5,69.7 175.29,69.39 D28.2
Net-(D29-A): length 15.2
  Top w0.25: D29.2 193.27,74.07 195.68,73.79 197.38,73.05 S29.1 200.38,70.08 200.69,69.04 200.74,67.64 S29.1
Net-(D30-A): length 14.5
  Top w0.25: S30.1 225.53,56.79 225.32,58.45 224.87,59.44 S30.1 221.82,61.93 219.58,63.04 D30.2
Net-(D32-A): length 20.9
  Top w0.25: S32.2 94.74,14.15 96.37,14.48 98.4,15.37 99.54,16.33 100.76,17.73 S32.2 101.75,22.63 101.37,24.31 100.38,26.92 D32.2
Net-(D33-A): length 25.8
  Top w0.25: D33.2 129.26,19.35 128.88,18.29 128.17,17.58 127.33,17.27 126.01,17.32 125.04,17.63 124.33,17.75 123.27,17.68 122.48,17.48 121.89,17.07 121.74,16.61 121.89,16 S33.2 ; 120.28,3.79 122.48,4.57 123.49,6.1 124,8.38 123.75,11.18 122.78,14.49
Net-(D34-A): length 26.2
  Top w0.25: D34.2 141.27,30.23 141.02,30.73 140,30.99 138.99,30.23 138.99,29.21 139.24,28.45 140.26,27.69 140.51,27.13 140.64,26.49 140.67,25.35 140.34,24.36 140,23.88 138.73,22.86 137.46,21.08 137.21,19.56 137.72,18.54 138.73,18.03 ; S34.1 142.27,13.72 142.09,14.5 141.53,15.8 140.67,16.84 139.83,17.55 S34.1
Net-(D35-A): length 29.8
  Top w0.25: D35.2 111.12,21.95 111.48,22.43 112.4,23.29 114.86,24.61 118.82,26.14 121.13,26.8 123.55,27.18 125.04,28.12 126.52,29.95 127.46,33.22 127.97,37.11 127.97,38.89 SW1.S1
Net-(U1-8): length 60.9
  Top w0.25: 115.62,77.47 115.62,77.6 ; 115.62,77.6 116,73.76 117.07,68.5 117.6,64.21 117.53,59.84 116.71,55.07 115.95,50.83 114.88,48.44 SW1.A ; 115.62,77.6 115.62,79.76 116.13,83.31 116.38,85.34 116.38,89.41 116.89,90.68 118.92,92.2 121.46,92.46 124,92.2 125.78,91.19 126.54,89.66 127.05,88.39 U1.9
Net-(U1-9): length 64.7
  Top w0.25: U1.10 125.27,88.65 124.76,89.66 123.75,90.42 121.72,90.42 120.19,89.92 119.18,88.65 118.92,86.87 118.92,85.85 118.67,84.84 118.16,83.06 118.16,82.04 118.67,78.99 121.21,75.44 122.48,73.15 123.75,69.34 124.51,66.29 125.02,60.71 124.76,54.1 123.24,48.26 120.95,45.21 117.65,42.42 SW1.B

## Copper pours and planes (outline as drawn; the poured copper is in the pictures)
gnd on Top, Bottom: 240.44,54.08 219.99,107.44 195.43,118.41 175.9,116.03 158.14,109.22 82.35,109.25 64.57,116.1 45.14,118.49 20.47,107.49 0.03,54.13 17.83,47.35 97.08,4.83 110.77,0 129.84,0 143.56,4.83 222.71,47.27

## Text on the board
F.Silkscreen: ToKeyO v3.0 (c)'25 by tschibo00 github.com/tschibo00
